# Altium PCB opa1671驻极体放大.PcbDoc
Units mm, origin at the board's own origin, x right, y up, seen from the top; angles counter-clockwise.
Board outline 48 x 31 mm, 2 copper layers (Top Layer, Bottom Layer); 18 components, 10 nets, 50 pads, 3 vias.
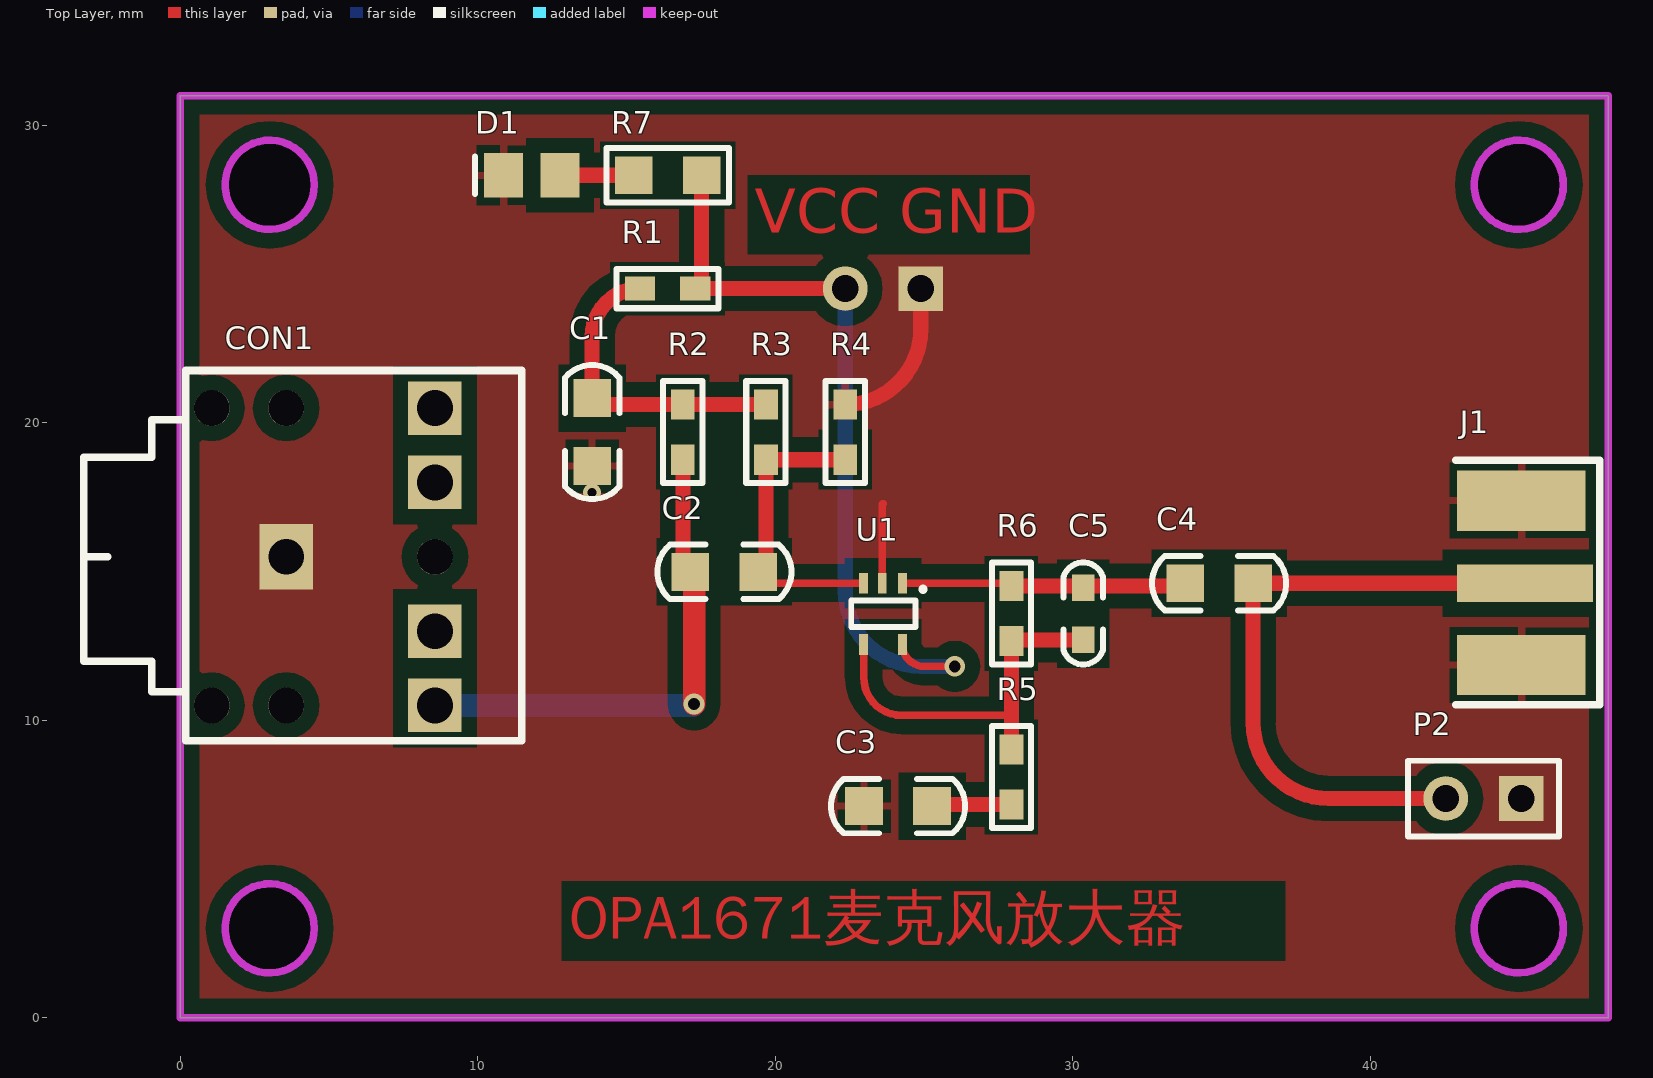
[diagram p0: Top Layer view]
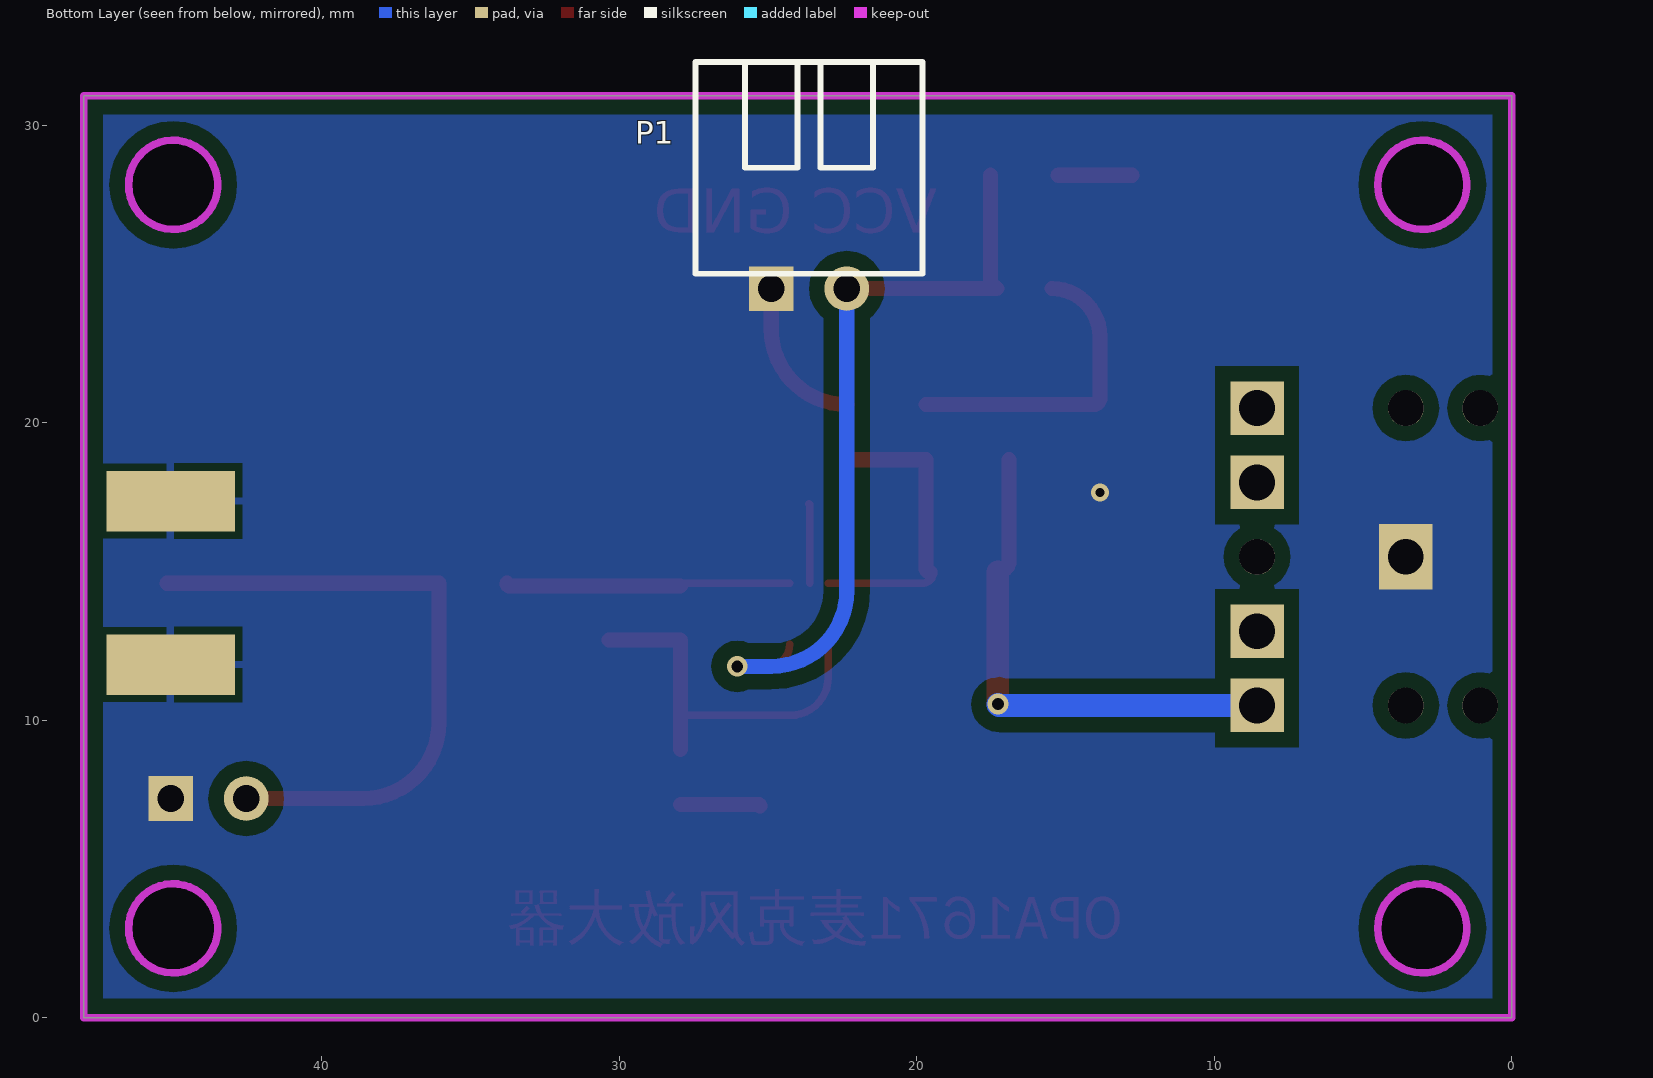
[diagram p1: Bottom Layer view, seen from below]
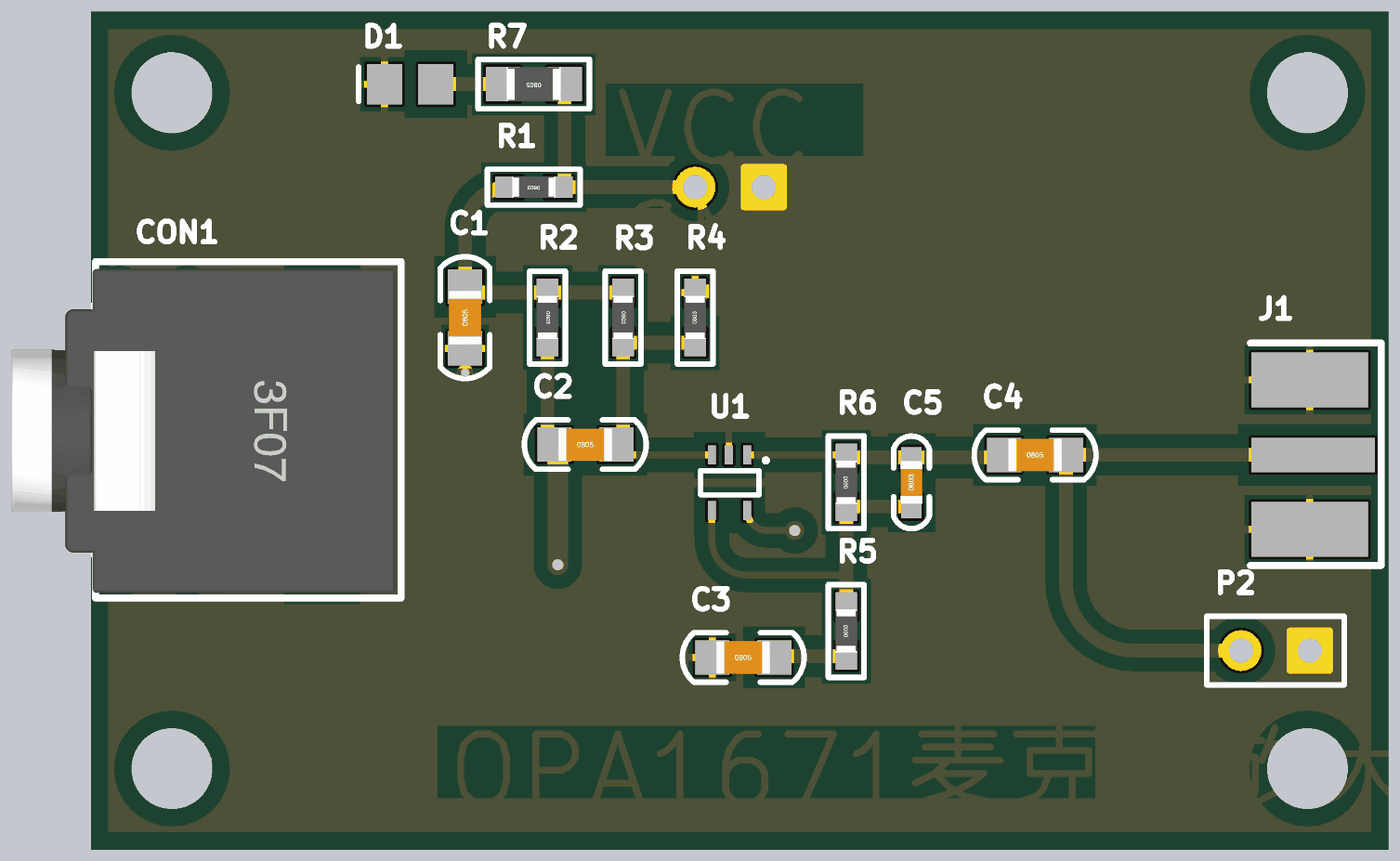
[diagram p2: 3D render of the assembled board from above, using the file's embedded part models]

## Layer stack, top to bottom
Top Solder: solder mask 0.0102, Solder Resist, Dk 3.5
Top Layer: signal copper 0.0356
Dielectric 1: dielectric 0.32, FR-4, Dk 4.8
Bottom Layer: signal copper 0.0356
Bottom Solder: solder mask 0.0102, Solder Resist, Dk 3.5

## Board outline
0,0 48,0 48,31 0,31
cut-out: 3,26.5 cw(c3,28) 1.5,28 cw(c3,28) 3,29.5 cw(c3,28) 4.5,28 cw(c3,28)
cut-out: 43.5,3 ccw(c45,3) 45,1.5 ccw(c45,3) 46.5,3 ccw(c45,3) 45,4.5 ccw(c45,3)
cut-out: 3,1.5 cw(c3,3) 1.5,3 cw(c3,3) 3,4.5 cw(c3,3) 4.5,3 cw(c3,3)
cut-out: 43.5,28 ccw(c45,28) 45,26.5 ccw(c45,28) 46.5,28 ccw(c45,28) 45,29.5 ccw(c45,28)

## Design rules (kind name [scope] priority, off if disabled: settings)
Clearance [All] p1: gap=0.254 ignorepadtopadclearanceinfootprint=FALSE except(0: Arc-Hole Track-Hole SMDPad-Hole THPad-Hole Via-Hole Fill-Hole Poly-Hole Region-Hole Text-Hole; 0.508: Arc-Poly Track-Poly SMDPad-Poly THPad-Poly Via-Poly Fill-Poly Poly-Poly)
PolygonConnect [All] p1: thpad.connectstyle=Direct thpad.reliefconductorwidth=0.254 thpad.reliefentries=4 thpad.polygonreliefangle="90 Angle" thpad.airgapwidth=0.254 smdpad.connectstyle=Relief smdpad.reliefconductorwidth=0.254 smdpad.reliefentries=4 smdpad.polygonreliefangle="90 Angle" smdpad.airgapwidth=0.254 via.connectstyle=Direct via.reliefconductorwidth=0.254 via.reliefentries=4 via.polygonreliefangle="90 Angle" via.airgapwidth=0.254
RoutingVias [All] p1: holewidth=0.711 width=1.778 viastyle="Through Hole" minholewidth=0.3 minwidth=0.6 maxholewidth=0.711 maxwidth=2.54
SolderMaskExpansion [All] p1: expansion=0.102
Width [All] p1: maxlimit=2.54 minlimit=0.025 preferedwidth=0.254
30 further rules are at their usual default settings.

## Classes and differential pairs
component class opa1671音频放大: C1 C2 C3 C4 C5 D1 J1 P1 P2 R1 R2 R3 R4 R5 R6 R7 U1

## Components (designator, comment, footprint, x,y, rotation, side; value= is the part's Value field where it differs from the comment)
C1 "10uF" "C 0805" 13.843,19.685 r90 top
C2 "1uF" "C 0805" 18.288,14.986 r0 top
C3 "10uF" "C 0805" 24.13,7.112 r0 top
C4 "10uF" "C 0805" 34.925,14.605 r0 top
C5 "15pF" "C 0603" 30.353,13.589 r90 top
CON1 "3F07_BK" 3F07_BK 3.556,15.494 r90 top
D1 "LED" LED_0805 11.811,28.321 r180 top
J1 "COAX" MCX5.08-5-H 45.212,14.605 r0 top
P1 "Header 2" HDR2X1_B2 24.892,24.511 r180 bottom
P2 "Header 2" HDR2X1_A 45.085,7.366 r180 top
R1 "1.58K" "R 0603" 16.383,24.511 r180 top
R2 "10K" "R 0603" 16.891,19.685 r270 top
R3 "100K" "R 0603" 19.685,19.685 r270 top
R4 "100K" "R 0603" 22.352,19.685 r90 top
R5 "4.9K" "R 0603" 27.94,8.09 r90 top
R6 "499K" "R 0603" 27.94,13.589 r90 top
R7 "1K" "R 0805" 16.383,28.321 r180 top
U1 "OPA1671" "SC-70 5" 23.622,13.589 r270 top

## Footprints (in the part's own frame and the unit in brackets; to place one, negate y for a bottom-side part, rotate by r counter-clockwise, add the part's x,y. Pads: shape width x height; smd on the part's side, far side on the other; paste and mask are expansions set on the pad)
3F07_BK [mm] "黑色，14.2*12*5mm"
  round 1.2 hole 1.2 unplated: 0(-5,0) 0(-5,2.5) 0(0,-5) 0(5,0) 0(5,2.5)
  rect 2.2x1.8 hole 1.2: 1(0,0)
  rect 1.8x1.8 hole 1.2: 2(5,-5) 3(2.5,-5) 4(-2.5,-5) 5(-5,-5)
  silkscreen extent -6.18,-7.92 6.26,6.8, body extent -6,-7.7 6,6.5, height 5.6
"C 0603" [mil] "无极性贴片电容"
  rect 35x30 smd: 1(-35,0) 2(34,0)
  silkscreen extent -67,-26 67,26, body extent -31,-16 31,16, height 32
"C 0805" [mil] "无极性贴片电容"
  rect 50x50 smd: 1(-45,0) 2(45,0)
  silkscreen extent -89,-36 89,36, body extent -39,-24 39,24, height 20
HDR2X1_A [mm] "Connector; Header; 2 Position"
  rect 1.5x1.5 hole 0.9: 1(0,0)
  round 1.5 hole 0.9: 2(2.54,0)
  silkscreen extent -1.27,-1.27 3.81,1.27
HDR2X1_B2 [mm] "Connector; Header; 4 Position"
  rect 1.5x1.5 hole 0.9: 1(0,0)
  round 1.5 hole 0.9: 2(2.54,0)
  silkscreen extent -2.54,0.5 5.08,7.62, body extent -2.54,0.38 5.08,7.62, height 5.5
LED_0805 [mm] "贴片二极管"
  rect 1.3x1.5 smd: 1(-0.95,0) 2(0.95,0)
  silkscreen extent 1.91,-0.63 1.91,0.64
MCX5.08-5-H [mil]
  rect 180x50 smd: 1(0,0)
  rect 170x80 smd: 2(-5,109.25) 5(-5,-108.27)
  rect 170x80 smd far side: 3(-5,108.66) 4(-5,-107.87)
  silkscreen extent -92,-161 99,163, body extent -93,-132 80,134, height 39
"R 0603" [mil] "1/10W贴片电阻"
  rect 40x31.5 smd: 1(-36.5,0) 2(36.5,0)
  silkscreen extent -68,-26 68,26, body extent -31,-16 32,16, height 16
"R 0805" [mil] "1/8W贴片电阻"
  rect 50x50 smd: 1(-45,0) 2(45,0)
  silkscreen extent -81,-36 81,36, body extent -39,-25 39,25, height 20
"SC-70 5" [mm]
  rect 0.7x0.3 smd: 1(-1.016,0.65) 2(-1.016,-0.025) 3(-1.016,-0.65) 4(1.041,-0.65) 5(1.041,0.65)
  silkscreen extent -0.84,-1.07 0.46,1.37, body extent 0.05,0.61 0.05,0.61, height 0.25

## Part data
C1 C2 C3 C4 C5: library part C, "无极性贴片电容"
CON1: library part 3F07, "3.5mm耳机插座", 学习资源=www.o
D1: "发光二极管", LatestRevisionDate=08-Jul-2005, LatestRevisionNote="Mech Layer 1 removed.", PackageReference=LED, Published=8-Jun-2000, Publisher="Altium Limited"
P1 P2: "接插件", LatestRevisionDate=17-Jul-2002, LatestRevisionNote="Re-released for DXP Platform.", Publisher="Altium Limited"
R1 R2 R3 R4 R5 R6 R7: library part R, "贴片电阻"
U1: library part opa1671, "12MHz、低噪声、轨至轨、音频运算放大器"

## Via types
v1: diameter 0.7, hole 0.4, Top Layer to Bottom Layer, tented both sides, 2 vias
v2: diameter 0.6, hole 0.3, Top Layer to Bottom Layer, tented both sides, 1 vias

## Nets (pads, with @x,y where several pads share a name; then routed paths per layer and width w, separated by ;. In a path a pad name is that pad's centre, name@x,y a point inside that pad or via, vN(x,y) a via of type N, cw(c..) or ccw(c..) an arc to the next point about the centre after c; other vN are vias at no path point)
GND: C1.1 C3.1 CON1.1 D1.2 J1.2 J1.3 J1.4 J1.5 P1.1 P2.1 R4.2 U1.2 | length 8
  Top Layer w0.254: U1.2 23.597,17.247 cw(c23.622,17.247) 23.622,17.272
  Top Layer w0.508: R4.2 ccw(c22.352,23.152) 24.892,23.152 P1.1
  other v2: 13.843,17.653
NetC1_2: C1.2 R1.2 R2.1 R3.1 | length 10.6
  Top Layer w0.508: R1.2 ccw(c15.456,22.898) 13.843,22.898 C1.2 ccw(c14.059,20.828) 14.059,20.612 R2.1 R3.1
NetC2_1: C2.1 CON1.5 R2.2 | length 17.2
  Top Layer w0.508: R2.2 16.891,15.367 ccw(c17.272,15.367) C2.1@17.272,14.986
  Top Layer w0.762: v1(17.272,10.541) C2.1@17.272,14.986
  Bottom Layer w0.762: CON1.5 17.225,10.494 ccw(c17.225,10.541) v1(17.272,10.541)
NetC2_2: C2.2 R3.2 R4.1 U1.3 | length 10.3
  Top Layer w0.254: C2.2 ccw(c19.812,14.986) 19.812,14.605 U1.3
  Top Layer w0.508: C2.2@19.558,14.986 ccw(c19.558,15.113) 19.685,15.113 R3.2 R4.1
NetC3_2: C3.2 R5.1 | length 2.7
  Top Layer w0.508: C3.2 cw(c25.324,7.112) 25.324,7.163 R5.1
NetC4_1: C4.1 C5.2 R6.2 U1.1 | length 9.6
  Top Layer w0.254: U1.1 27.851,14.605 cw(c27.851,14.516) R6.2
  Top Layer w0.508: R6.2 33.693,14.516 ccw(c33.693,14.605) C4.1
NetC4_2: C4.2 J1.1 P2.2 | length 21.8
  Top Layer w0.508: P2.2 38.608,7.366 cw(c38.608,9.906) 36.068,9.906 C4.2 J1.1
NetC5_1: C5.1 R5.2 R6.1 U1.4 | length 13
  Top Layer w0.254: U1.4 22.972,11.445 ccw(c24.257,11.445) 24.257,10.16 27.813,10.16 ccw(c27.813,10.287) 27.94,10.287
  Top Layer w0.508: R5.2 27.94,10.287 R6.1 cw(c27.978,12.662) 27.978,12.7 C5.1
NetD1_1: D1.1 R7.2 | length 2.5
  Top Layer w0.508: D1.1 R7.2
VCC: P1.2 R1.1 R7.1 U1.5 | length 26.4
  Top Layer w0.254: U1.5 ccw(c25.009,12.548) 25.009,11.811 v1(26.035,11.811)
  Top Layer w0.508: R7.1 17.526,24.727 R1.1 P1.2
  Bottom Layer w0.508: P1.2 22.352,14.351 ccw(c24.892,14.351) 24.892,11.811 v1(26.035,11.811)
pads on no net: CON1.0 CON1.2 CON1.3 CON1.4

## Polygon pours and split planes (outlines as drawn)
GND on Bottom Layer "Top Layer-No Net1" (solid, remove dead copper, pour order 5): 0,0 48,0 48,31 0,31
GND on Top Layer "Top Layer-No Net" (solid, remove dead copper, pour order 4): 0,0 48,0 48,31 0,31

## Keep-outs
Keep-Out Layer:
  circle w0.254: c45,3 r1.5
  circle w0.254: c3,3 r1.5
  circle w0.254: c45,28 r1.5
  circle w0.254: c3,28 r1.5
  lines w0.254: 0,0 0,31 48,31 48,0 0,0

## Other copper
Top Layer:
  text "VCC GND" at 19.304,25.908 h2.54
  text "OPA1671麦克风放大器" at 13.081,2.159 h2.54